# Altium PCB DemoCatV2.PcbDoc (continued)
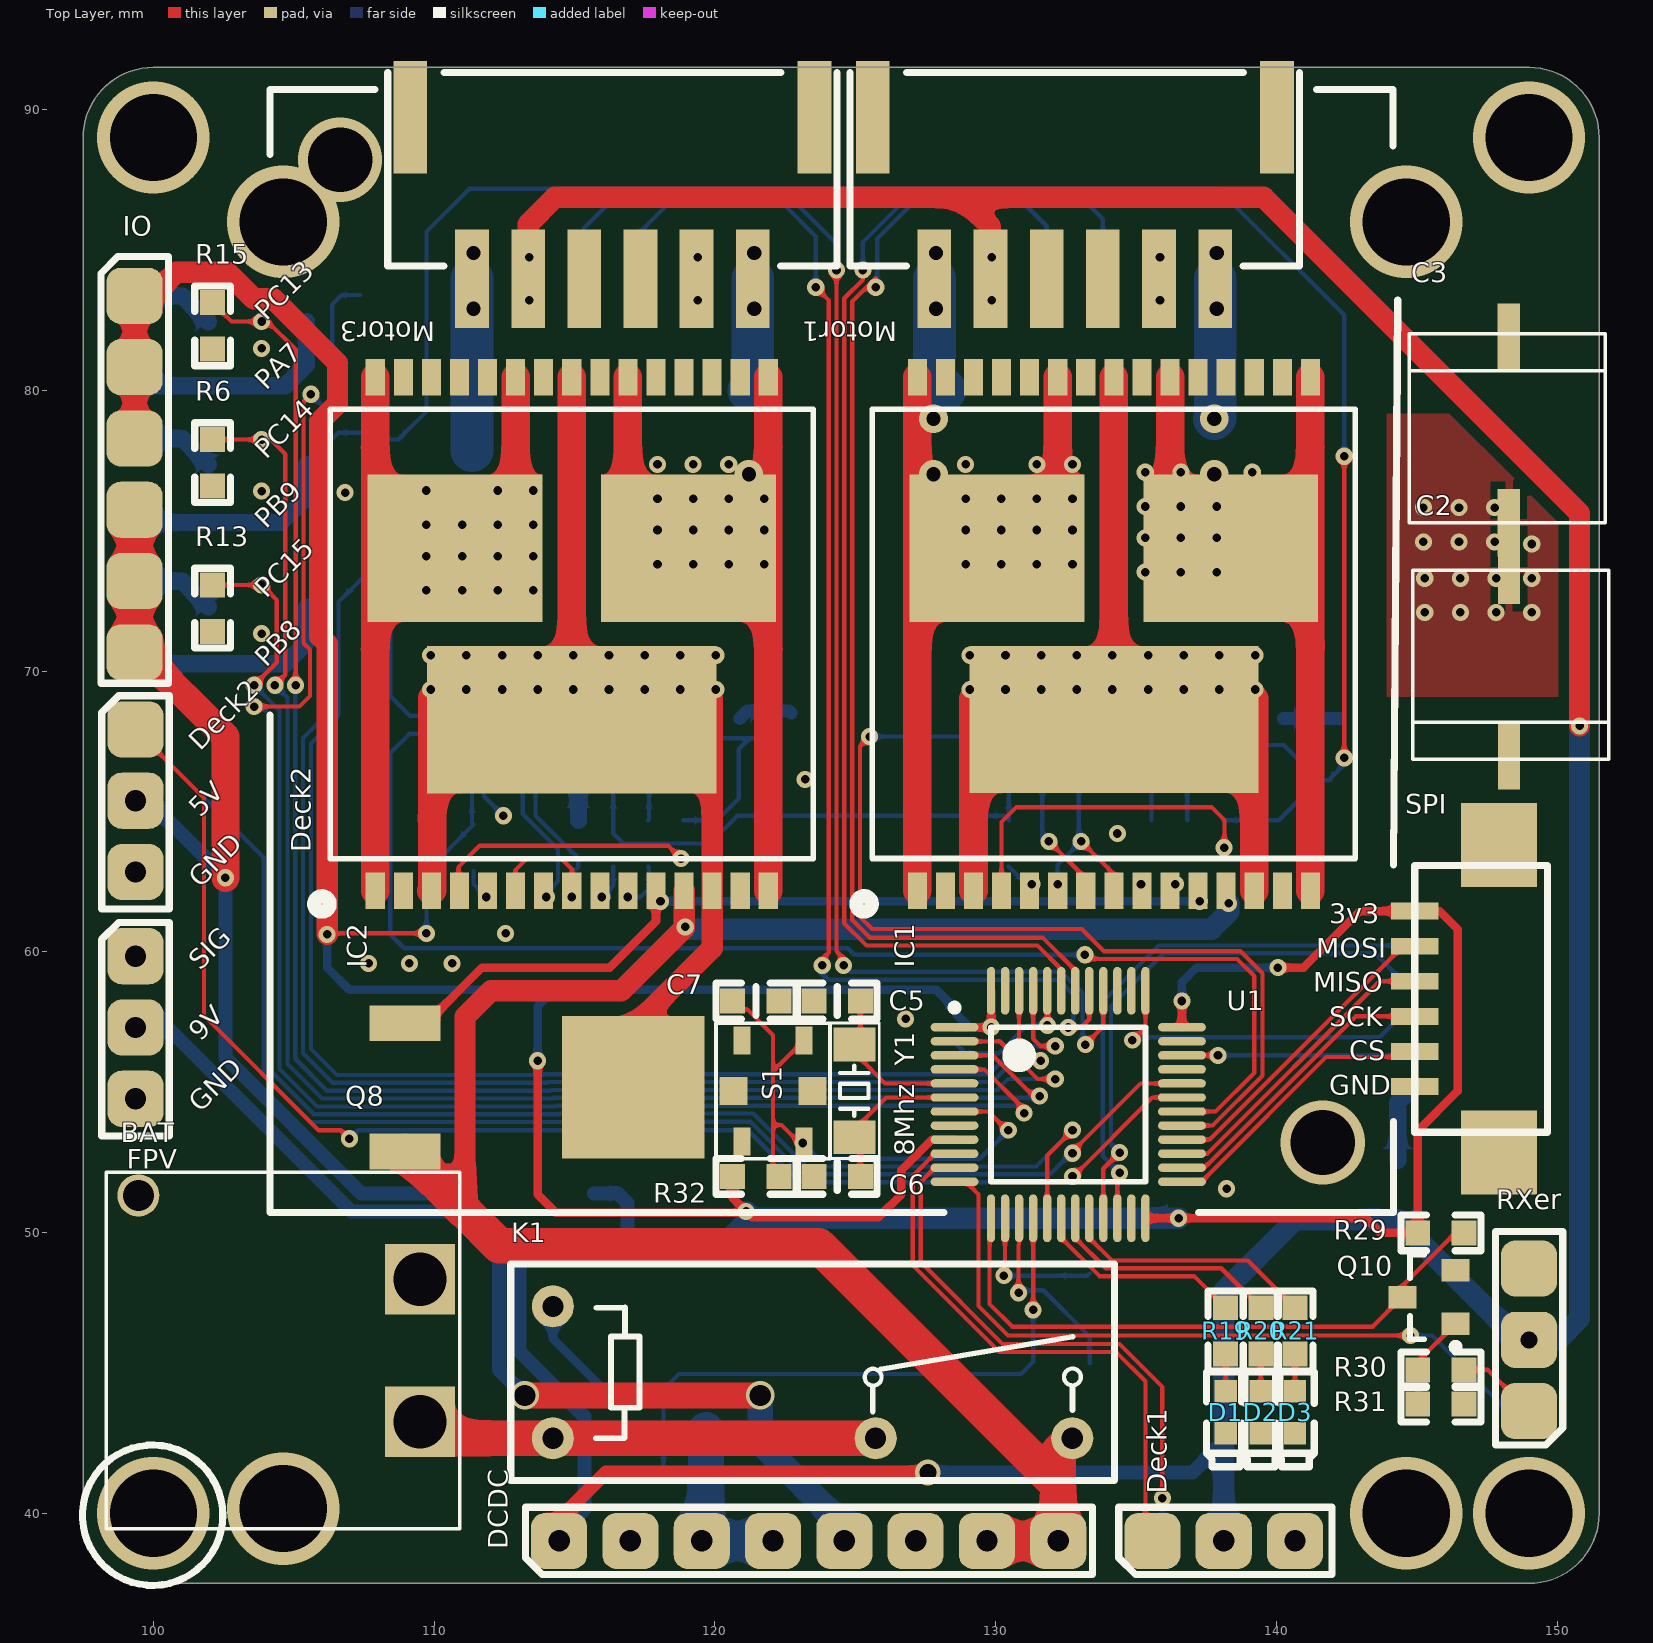
[diagram p0: Top Layer view]
## Footprints (in the part's own frame and the unit in brackets; to place one, negate y for a bottom-side part, rotate by r counter-clockwise, add the part's x,y. Pads: shape width x height; smd on the part's side, far side on the other; paste and mask are expansions set on the pad) (continued)
  rect 1.1x0.6 smd: 1(-1.2,0.95) 2(-1.2,0) 3(-1.2,-0.95) 4(1.2,-0.95) 5(1.2,0.95)
  silkscreen extent -1.32,-1.55 0.25,1.92, body extent -1.25,-1.53 1.25,1.47, height 1.05
SOT-23-MOS [mm] "SOT23, 3-Leads, Body 2.90x2.45mm, Pitch 0.95mm, IPC Medium Density"
  rect 1x0.8 smd: 1(0.95,0) 2(-0.95,0.95) 3(-0.95,-0.95)
  silkscreen extent -1.08,-1.5 0.67,1.9, body extent -1.33,-1.47 1.17,1.53, height 1.05
TO-252-3 [mil]
  rect 200x200 smd: 1(0,320)
  rect 50x100 smd: 2(-90,0) 3(90,0)
  body extent -132,-10 132,398, height 95
VNH5019A-E_1 [mm]
  rect 0.68x1.3 smd: 1(-13,-15.15) 2(-12,-15.15) 3(-11,-15.15) 4(-10,-15.15) 5(-9,-15.15) 6(-8,-15.15) 7(-7,-15.15) 8(-6,-15.15) 9(-5,-15.15) 10(-4,-15.15) 11(-3,-15.15) 12(-2,-15.15) 13(-1,-15.15) 14(0,-15.15) 15(1,-15.15) 16(1,3.15) 17(0,3.15) 18(-1,3.15) 19(-2,3.15) 20(-3,3.15) 21(-4,3.15) 22(-5,3.15) 23(-6,3.15) 24(-7,3.15) 25(-8,3.15) 26(-9,3.15) 27(-10,3.15) 28(-11,3.15) 29(-12,3.15) 30(-13,3.15)
  rect 10.3x5.25 smd: 31(-6,-9.05)
  rect 6.23x5.25 smd: 32(-10.165,-2.95) 33(-1.835,-2.95)
  silkscreen extent -15.17,-15.89 2.6,2, body extent -15.39,-16.05 3.46,4.06, height 2.35
XT30-IN-W [mm]
  round 1.5 hole 1.1: 0(-5.525,10.033) 0(5.524,10.033)
  rect 2.5x2.5 hole 1.9: 1(-2.54,0) 2(2.54,0)
  silkscreen extent -6.35,-1.42 6.35,11.18, body extent -6.62,-0.99 6.68,12.96, height 5

## Part data
BAT: library part "Header 2", "Header, 2-Pin", LatestRevisionDate=17-Jul-2002, LatestRevisionNote="Re-released for DXP Platform.", Publisher="Altium Limited"
C1 C4 C5 C6 C7 C8 C9 C10: "Capacitor", LatestRevisionDate=17-Jul-2002, LatestRevisionNote="Re-released for DXP Platform.", PackageDescription="Radial Cap, Thru-Hole; 2 Leads; 0.3 in Pin Spacing", PackageReference=RAD-0.3, Published=8-Jun-2000, Publisher="Altium Limited"
C2 C3: "Polarized Capacitor (Radial)", LatestRevisionDate=17-Jul-2002, LatestRevisionNote="Re-released for DXP Platform.", PackageDescription="Polarized Capacitor (Radial); 2 Leads", PackageReference=RB7.6-15, Published=8-Jun-2000, Publisher="Altium Limited"
D1 D2 D3: "Typical INFRARED GaAs LED", LatestRevisionDate=08-Jul-2005, LatestRevisionNote="Mech Layer 1 removed.", PackageDescription="LED; 2 Leads", PackageReference=LED-0, Published=8-Jun-2000, Publisher="Altium Limited"
D4: library part Diode, "Default Diode", Code_JEDEC=DO-214-AB, LatestRevisionDate=17-Jul-2002, LatestRevisionNote="Re-released for DXP Platform.", PackageDescription="DO-214-AB/SMC; 2 C-Bend Leads; Body 7.9 x 5.9 mm, inc. leads (LxW)", PackageReference=SMC, PackageVersion=Sep-1996, Published=8-Jun-2000, Publisher="Altium Limited"
DCDC: "Header, 8-Pin, Dual row", LatestRevisionDate=17-Jul-2002, LatestRevisionNote="Re-released for DXP Platform.", Publisher="Altium Limited"
Debugger Motor1 Motor2 Motor3 Motor4 SPI: "Header, 6-Pin", LatestRevisionDate=17-Jul-2002, LatestRevisionNote="Re-released for DXP Platform.", Publisher="Altium Limited"
Deck1 Deck2 FPV RXer: "Header, 3-Pin, Dual row", LatestRevisionDate=17-Jul-2002, LatestRevisionNote="Re-released for DXP Platform.", Publisher="Altium Limited"
IC1 IC2: "Integrated Circuit", Manufacturer_Name=STMicroelectronics, Mouser Part Number=511-VNH5019A-E, RS Part Number=8805550P, Datasheet Link=http://docs-emea.rs-online.com/webdocs/140d/0900766b8140dac2.pdf, Manufacturer_Part_Number=VNH5019A-E, Mouser Price/Stock=https://www.mouser.com/Search/Refine.aspx?Keyword=511-VNH5019A-E, RS Price/Stock=http://uk.rs-online.com/web/p/products/8805550P
IO: "Header, 6-Pin, Dual row", LatestRevisionDate=17-Jul-2002, LatestRevisionNote="Re-released for DXP Platform.", Publisher="Altium Limited"
K1: "SPDT Relay", LatestRevisionDate=17-Jul-2002, LatestRevisionNote="Re-released for DXP Platform.", PackageReference=MODULE5B, Published=8-Jun-2000, Publisher="Altium Limited"
Q1 Q2 Q3 Q4 Q5 Q6 Q7 Q8 Q9 Q10 Q11: library part MOSFET-N, "N-Channel MOSFET", LatestRevisionDate=17-Jul-2002, LatestRevisionNote="Re-released for DXP Platform.", PackageDescription="TO, Flat Index; 3 In-Line, Axial Leads; Body Dia. 4.6mm; Lead Dia. 0.5 mm (max)", PackageReference=E3, PackageVersion=1995/1996, Published=8-Jun-2000, Publisher="Altium Limited"
R1 R2 R3 R4 R5 R6 R7 R8 R9 R10 R11 R12 R13 R14 R15 R16 R17 R18 R22 R23 R24 R25 R27 R28 R29 R30 R31 R33 R34 Safe: "Resistor", LatestRevisionDate=17-Jul-2002, LatestRevisionNote="Re-released for DXP Platform.", PackageDescription="Axial Device, Thru-Hole; 2 Leads; 0.4 in Pin Spacing", PackageReference=AXIAL-0.4, Published=8-Jun-2000, Publisher="Altium Limited"
R19 R20 R21 R26 R32: library part Res2, "Resistor", LatestRevisionDate=17-Jul-2002, LatestRevisionNote="Re-released for DXP Platform.", PackageDescription="Axial Device, Thru-Hole; 2 Leads; 0.4 in Pin Spacing", PackageReference=AXIAL-0.4, Published=8-Jun-2000, Publisher="Altium Limited"
S1: "Switch", LatestRevisionDate=17-Jul-2002, LatestRevisionNote="Re-released for DXP Platform.", PackageDescription="Switch; 2 Leads", PackageReference=SPST-2, Published=24-Mar-1999, Publisher="Altium Limited"
U1: "ARM Cortex-M3 32-bit MCU, 64 KB Flash, 8 KB Internal RAM, 37 I/Os, 48-pin LQFP, -40 to 85 degC, Tray", I/Os (High Current)=37, Operating Frequency(F) (Processor speed) (MHz)=24, Supplier Part Number 1=497-10499-ND, Supply Voltage(Vcc) min (V)=2, A/D Converter="1x12-bit (10 Channel)", ComponentLink1Description="Manufacturer URL", ComponentLink1URL=http://www.st.com/web/en/home.html, ComponentLink2Description=Datasheet, ComponentLink2URL=http://www.st.com/st-web-ui/static/active/en/resource/technical/document/datasheet/CD00251732.pdf, ComponentLink3Description="Package Specification", ComponentLink3URL=http://www.st.com/st-web-ui/static/active/en/resource/technical/document/datasheet/DM00058181.pdf, Core="ARM Cortex-M3", D/A Converter="2x12-bit (2 Channel)", DatasheetVersion="Rev. 7", FLASH Size (Prog) (kB)=64, Internal RAM Size (kB)=8, Mounting Technology="Surface Mount", PackageDescription="48-Pin Low Profile Quad Flat Package, 7 x 7 mm Body, 0.5 mm Pitch", PackageReference=LQFP48, PackageVersion="Rev. 6, 06/2013", Packing=Tray, PartNumber=STM32F100C8T6B, Supplier 1=Digi-Key, Supplier 2=Farnell, Supplier 3=Newark, Supplier 4=Mouser, Supplier Part Number 2=1838511, Supplier Part Number 3=76R0988, Supplier Part Number 4=511-STM32F100C8T6B
U2: library part RT9013, "3.3V 500mA"
Y1: library part XTAL, LatestRevisionDate=17-Jul-2002, LatestRevisionNote="Re-released for DXP Platform.", PackageDescription="Crystal, Thru-Hole; 2 Leads; Body 3.1 x 8.2 mm (Dia.xH)", PackageReference=R38, Published=8-Jun-2000, Publisher="Altium Limited"

## Via types
v1: diameter 0.61, hole 0.305, Top Layer to Bottom Layer, tented both sides, 189 vias
v2: diameter 1.016, hole 0.762, Top Layer to Bottom Layer, tented both sides, 17 vias
v3: diameter 1.016, hole 0.508, Top Layer to Bottom Layer, tented both sides, 13 vias
v4: diameter 0.6, hole 0.3, Top Layer to Bottom Layer, tented both sides, 6 vias
v5: diameter 4/1.27 (per signal layer), hole 3.1, Top Layer to Bottom Layer, 4 vias
v6: diameter 4, hole 3.1, Top Layer to Bottom Layer, 4 vias
v7: diameter 0.61, hole 0.305, Top Layer to Bottom Layer, 3 vias
v8: diameter 0.914, hole 0.61, Top Layer to Bottom Layer, tented both sides, 2 vias
v9: diameter 3, hole 2.3, Top Layer to Bottom Layer, 2 vias

## Nets (pads, with @x,y where several pads share a name; then routed paths per layer and width w, separated by ;. In a path a pad name is that pad's centre, name@x,y a point inside that pad or via, vN(x,y) a via of type N, cw(c..) or ccw(c..) an arc to the next point about the centre after c; other vN are vias at no path point)
3v3: C8.2 C9.2 C10.2 IO.1 IO.2 IO.3 R1.2 R2.2 R3.2 R16.2 R17.2 R18.2 R29.2 R32.2 SPI.1 U1.1 U1.9 U1.24 U1.36 U1.48 U2.5 | length 188.1
  Top Layer w0.152: v1(106.189,60.621) 106.223,60.655 v1(109.728,60.655)
  Top Layer w0.305: v1(113.69,56.117) 113.69,51.359 114.342,50.707 v1@121.158,50.707 ; R32.2 120.637,51.227 v1(121.116,50.749) v1@121.158,50.707 ; U1.9 127.731,53.309 126.644,52.223 126.644,51.359 125.827,50.541 121.323,50.541 v1@121.158,50.707 ; U1.1 v1(129.845,57.309) 129.845,58.602 U1.48 ; U1.24 v1(136.52,50.509) 143.191,50.509 143.713,49.987 R29.2 145.038,53.617 146.456,55.036 146.456,60.808 145.816,61.448 SPI.1 142.982,61.448 140.97,59.436 v1(140.056,59.436) ; U1.36 v1(136.638,58.246)
  Top Layer w0.762: IO.3 IO.2 IO.1 99.974,83.363 100.813,84.201 102.641,84.201 103.581,83.261 104.267,83.261 106.559,80.969 106.559,79.521 105.933,78.895 105.933,71.231 106.189,70.975 v1(106.189,60.621)
  Bottom Layer w0.152: v1(109.728,60.655) 109.728,62.852 R18.2 111.35,64.583 111.35,66.49 111.939,67.08 116.972,67.08 ; R16.2 116.972,67.08 ; R2.2 135.553,66.49 135.966,66.904 ; R1.2 135.966,66.904 ; 116.972,67.08 116.383,66.49 R17.2 116.383,64.211 116.738,63.856 119.812,63.856 120.802,64.846 130.308,64.846 R3.2 130.473,66.541 130.835,66.904 135.966,66.904
  Bottom Layer w0.305: v1(106.189,60.621) 106.189,59.436 106.976,58.649 114.275,58.649 ; v1(113.69,56.117) 113.69,58.064 114.275,58.649 ; C10.2 129.064,57.309 v1(129.845,57.309) ; C10.2@128.614,57.924 127.889,58.649 114.275,58.649 ; v1(136.638,58.246) 136.638,58.914 137.16,59.436 v1(140.056,59.436)
  Bottom Layer w0.762: U2.5 120.244,49.494 121.116,50.366 v1(121.116,50.749) 121.356,50.509 v1(136.52,50.509)
5v: DCDC.1 DCDC.9 Deck1.2 Deck1.5 Deck2.2 Deck2.5 IO.4 IO.5 IO.6 Motor1.2 Motor2.5 Motor3.2 Motor4.5 RXer.2 RXer.5 Safe.1 U2.1 U2.3 | length 183.9
  Top Layer w0.5: v2(114.452,39.014) 114.452,39.776 116.129,41.453 v8(127.589,41.453)
  Top Layer w0.762: Motor3.2 113.35,85.918 114.3,86.868 128.778,86.868 ; Motor1.2 129.821,85.825 128.778,86.868 ; v1(150.8,68.047) 150.8,75.623 139.555,86.868 128.778,86.868
  Top Layer w1: IO.4 IO.5 IO.6 99.568,70.663 102.565,67.666 v1(102.565,62.636)
  Bottom Layer w0.5: v2(99.365,65.38) 99.822,65.38 v1(102.565,62.636) 102.565,56.236 107.406,51.394 110.874,51.394 112.774,49.494 113.043,49.225 113.043,45.758 115.35,43.451 115.35,43.146 115.357,43.139 115.357,42.205 115.35,42.198 115.35,40.145 114.452,39.248 v2(114.452,39.014) ; U2.1 116.605,49.494 116.891,49.78 116.891,51.054 116.55,51.394 U2.3 ; v8(127.589,41.453) 137.008,41.453 138.125,42.57
  Bottom Layer w0.508: 112.774,49.494 U2.1
  Bottom Layer w0.762: v2(138.125,39.014) 138.125,42.57 138.125,47.904 140.682,50.461 Safe.1 148.607,46.177 v8(149,46.177) 150.038,46.177 150.8,46.939 v1(150.8,68.047) v1@150.8,68.123
  other v1: 113.386,83.21 129.857,83.209 113.386,84.734 129.857,84.733
9v: DCDC.5 DCDC.13 FPV.2 FPV.5 | length 36.7
  Top Layer w0.914: v2(113.233,44.196) v2(121.615,44.196)
  Bottom Layer w0.508: v2(99.365,57.302) 99.76,57.698 100.112,57.698 107.061,50.749 110.588,50.749 112.319,49.018 112.319,45.11 v2(113.233,44.196)
  Bottom Layer w0.914: v2(121.615,44.196) 121.615,42.52 124.612,39.522 v2(124.612,39.014)
ADC1_4: R26.2 U1.14 | length 5.2
  Top Layer w0.152: v1(130.295,48.463) 130.338,48.506 U1.14
  Bottom Layer w0.152: v1(130.295,48.463) 133.274,48.463 R26.2
ADC1_5: R26.1 U1.15 | length 6.7
  Top Layer w0.152: v1@130.816,47.942 130.816,49.561 130.838,49.583 U1.15
  Bottom Layer w0.152: v1@130.816,47.942 131.699,47.942 133.35,46.292 R26.1
  other v1: 130.819,47.856
AV: FPV.1 FPV.4
  other v2: 99.365,59.842
Drv_BAT: DCDC.7 DCDC.8 DCDC.15 DCDC.16 IC1.12 IC2.12 K1.2 Q8.3 | length 72.2
  Top Layer w0.762: 111.1,50.749 111.1,57.683 112.025,58.609 116.674,58.609 v1@118.904,60.84 ; v1@118.904,60.884 IC2.12
  Top Layer w1.27: Q8.3 111.1,50.749 112.319,49.53 123.698,49.53 132.232,40.996 ; v2(129.692,39.014) 132.029,39.014 132.232,38.811 v2(132.232,39.014) 132.232,40.996 ; K1.2 132.232,42.174 132.232,40.996
  Bottom Layer w0.762: v1(118.948,60.884) 119.024,60.808 137.693,60.808 138.303,61.417 v1(138.303,61.722)
Drv_CP: IC1.11 IC2.11 Q8.2 | length 30.7
  Top Layer w0.305: Q8.2 109.728,57.455 111.709,59.436 116.256,59.436 117.904,61.084 IC2.11
  Bottom Layer w0.305: v1(118.066,61.798) v1(137.268,61.798)
Drv_EN: Q11.2 R34.2 U1.16 | length 22
  Top Layer w0.152: v4(131.338,47.244) U1.16
  Bottom Layer w0.152: R34.2 118.173,44.412 118.72,44.958 130.912,44.958 131.338,45.384 v4(131.338,47.244)
Drv_Vcc: C2.1 C3.1 IC1.3 IC1.13 IC1.23 IC1.31 IC2.3 IC2.13 IC2.23 IC2.31 Q8.1 | length 75.1
  Top Layer w0.508: IC1.31@129.213,68.271 IC1.31 138.832,68.271 IC1.31@139.213,67.89
  Top Layer w0.762: Q8.1 117.094,57.321 119.904,60.131 IC2.13 IC2.31@119.904,69.012
  Top Layer w1.016: IC2.3 109.929,62.194 109.929,69.037 IC2.31@114.904,69.037 ; IC2.31 IC2.31@114.904,69.037 ; IC2.23 IC2.31@114.904,69.037 ; IC1.3 IC1.31@129.213,69.014 ; IC1.31 IC1.23 ; IC1.13 IC1.31@139.213,69.014
  other v1: 109.88,69.342 111.15,69.342 112.42,69.342 113.69,69.342 114.96,69.342 116.23,69.342 117.5,69.342 118.77,69.342 120.04,69.342 129.083,69.342 130.353,69.342 131.623,69.342 132.893,69.342 134.163,69.342 135.433,69.342 136.703,69.342 137.973,69.342 139.243,69.342 109.88,70.561 111.15,70.561 112.42,70.561 113.69,70.561 114.96,70.561 116.23,70.561 117.5,70.561 118.77,70.561 120.04,70.561 129.083,70.561 130.353,70.561 131.623,70.561 132.893,70.561 134.163,70.561 135.433,70.561 136.703,70.561 137.973,70.561 139.243,70.561 145.288,72.085 146.558,72.085 147.828,72.085 149.098,72.085 145.288,73.304 146.558,73.304 147.828,73.304 149.098,73.304 149.098,74.524 145.237,74.6 146.507,74.6 147.777,74.6 145.237,75.819 146.507,75.819 147.777,75.819
GND: BAT.2 C1.1 C2.2 C3.2 C4.1 C5.1 C6.1 C7.1 C8.1 C9.1 C10.1 D1.2 D2.2 D3.2 DCDC.2 DCDC.6 DCDC.10 DCDC.14 Debugger.6 Deck1.3 Deck1.6 Deck2.3 Deck2.6 FPV.3 FPV.6 IC1.18 IC1.19 IC1.20 IC1.26 IC1.27 IC1.28 IC2.18 IC2.19 IC2.20 IC2.26 IC2.27 IC2.28 Motor1.5 Motor2.2 Motor3.5 Motor4.2 Q1.3 Q2.3 Q3.3 Q4.3 Q5.3 Q6.3 Q7.3 Q9.3 Q10.3 Q11.3 R4.1 R5.1 R6.1 R9.1 R12.1 R13.1 R14.1 R15.1 R24.1 R28.1 R31.1 R33.1 R34.1 RXer.3 RXer.6 S1.2 SPI.6 U1.8 U1.23 U1.35 U1.47 U2.2 | length 11.1
  Bottom Layer w0.152: v7(112.471,64.846) 111.785,65.532 111.785,66.419 112.166,66.8 114.456,66.8 115.138,66.117 C4.1
  Bottom Layer w0.457: Q9.3 121.158,68.58 122.645,68.58 122.721,68.504 ; Q4.3 142.255,68.311
  Bottom Layer w0.61: R28.1 C4.1
  other v1: 126.797,57.607 107.671,59.588 109.118,59.588 110.642,59.588 134.341,64.211 123.215,66.142 103.856,71.329 106.832,76.352 103.856,76.409 103.856,81.489 119.386,83.21 135.857,83.209 119.386,84.734 135.857,84.733
  other v2: 116.992,39.014 127.152,39.014 140.665,39.014 99.365,54.762 99.365,62.84
  other v7: 138.227,51.557 112.547,60.655
M1_N: Q4.1 R1.1 R10.2 | length 4
  Bottom Layer w0.152: R10.2 R1.1 138.993,66.11 Q4.1
M1_P: Q1.2 Q4.2 R4.2 R7.2 R9.2 U1.46 | length 123.1
  Top Layer w0.152: U1.46 130.838,56.614 131.335,56.117 v1(131.606,56.117) ; v1(142.418,66.904) v1(142.418,77.648)
  Bottom Layer w0.152: 105.843,68.128 106.223,68.509 106.223,78.115 106.594,78.486 108.196,78.486 R4.2 108.725,78.245 109.728,79.248 109.728,85.649 111.252,87.173 137.922,87.173 142.418,82.677 v1(142.418,77.648) ; 105.854,68.128 105.334,67.608 105.334,56.388 106.392,55.33 114.017,55.33 114.044,55.357 129.88,55.357 130.641,56.117 v1(131.606,56.117) ; R7.2 140.087,64.681 R9.2 ; Q4.2 139.294,67.361 140.265,67.361 R9.2 ; v1(142.418,66.904) 142.418,66.675 141.852,66.11 R9.2
M2_N: Q9.1 R16.1 R25.2 | length 3.8
  Bottom Layer w0.152: R25.2 117.653,64.706 R16.1 117.954,66.411 Q9.1
M2_P: Q6.2 Q9.2 R14.2 R22.2 R24.2 U1.45 | length 72.4
  Top Layer w0.152: U1.45 131.338,56.904 131.604,56.638 v1(132.127,56.638)
  Bottom Layer w0.152: R22.2 120.078,64.681 120.853,65.456 120.853,67.217 121.244,67.608 ; R24.2 121.919,67.608 121.244,67.608 ; v1(132.127,56.638) 130.767,56.638 129.765,55.636 113.928,55.636 113.901,55.609 106.544,55.609 105.613,56.54 105.613,67.422 106.594,68.403 106.594,72.462 Q6.2 107.982,73.85 R14.2 108.438,69.108 109.138,68.408 118.891,68.408 Q9.2 119.692,67.608 121.244,67.608
MH1: IC1.1 IC1.25 IC1.30 IC1.32 Motor1.1 Motor2.6 | length 29.4
  Top Layer w0.508: IC1.32 IC1.32@132.213,76.536
  Top Layer w1.016: IC1.1 IC1.30 ; IC1.32@132.213,76.536 IC1.25
  Bottom Layer w1.524: Motor2.6@127.821,83.971 127.821,80.389 128.2,80.01
  other v1: 128.93,73.803 130.2,73.803 131.47,73.803 132.74,73.803 128.93,75.023 130.2,75.023 131.47,75.023 132.74,75.023 128.93,76.14 130.2,76.14 131.47,76.14 132.74,76.14 128.93,77.359 131.47,77.359 132.74,77.359
  other v3: 127.788,77.004 127.788,78.985 127.876,82.904 127.876,84.885
MH2: IC2.1 IC2.25 IC2.30 IC2.32 Motor3.1 Motor4.6 | length 31.4
  Top Layer w1.016: IC2.1 IC2.30 ; IC2.32 112.904,76.535 IC2.25
  Bottom Layer w1.524: 111.35,77.855 Motor4.6
  other v1: 109.728,72.873 110.998,72.873 112.268,72.873 113.538,72.873 109.728,74.092 110.998,74.092 112.268,74.092 113.538,74.092 109.728,75.209 110.998,75.209 112.268,75.209 113.538,75.209 109.728,76.429 112.268,76.429 113.538,76.429
  other v3: 111.404,82.906 111.404,84.887
ML1: IC1.15 IC1.16 IC1.21 IC1.33 Motor1.6 Motor2.1 | length 30.3
  Top Layer w0.508: IC1.33@136.213,76.536 IC1.33
  Top Layer w1.016: IC1.33@136.213,76.536 IC1.21 ; IC1.15 IC1.16
  Bottom Layer w1.524: v3(137.788,78.985) 137.821,79.017 Motor2.1@137.821,83.971
  other v1: 135.331,73.523 136.601,73.523 137.871,73.523 135.331,74.742 136.601,74.742 137.871,74.742 135.331,75.86 136.601,75.86 137.871,75.86 135.331,77.079 136.601,77.079 137.871,77.079 139.141,77.079
  other v3: 137.788,77.004 137.876,82.904 137.876,84.885
ML2: IC2.15 IC2.16 IC2.21 IC2.33 Motor3.6 Motor4.1 | length 29.3
  Top Layer w1.016: IC2.21 116.904,76.535 IC2.33 ; IC2.15 IC2.16
  Bottom Layer w1.524: 121.214,79.991 121.35,80.126 Motor4.1
  other v1: 117.958,73.803 119.228,73.803 120.498,73.803 121.768,73.803 117.958,75.023 119.228,75.023 120.498,75.023 121.768,75.023 117.958,76.14 119.228,76.14 120.498,76.14 121.768,76.14 117.958,77.359 119.228,77.359 120.498,77.359
  other v3: 121.214,77.004 121.404,82.906 121.404,84.887
NetC1_2: C1.2 R11.2 | length 1.3
  Bottom Layer w0.152: R11.2 C1.2
NetC4_2: C4.2 R27.2 | length 1.2
  Bottom Layer w0.152: R27.2 C4.2
NetC5_2: C5.2 U1.5 Y1.2 | length 5.8
  Top Layer w0.152: C5.2 125.184,56.189 126.064,55.309 U1.5
NetC6_2: C6.2 U1.6 Y1.1 | length 5.8
  Top Layer w0.152: C6.2@125.184,51.845 C6.2 125.184,53.89 126.103,54.809 U1.6
NetC7_2: C7.2 R32.1 S1.1 U1.7 | length 19.9
  Top Layer w0.152: C7.2 120.942,57.941 121.158,57.941 122.072,57.027 122.072,55.746 ; R32.1 122.072,52.213 122.072,53.826 ; S1.1@122.958,53.246 122.377,53.826 122.072,53.826 ; S1.1@123.172,56.846 122.072,55.746 ; U1.7 129.74,54.309 130.252,53.797 130.302,53.797 v4(130.454,53.645) ; 122.072,53.826 122.072,55.746
  Bottom Layer w0.152: v1(123.139,53.188) 123.698,52.629 129.438,52.629 v4(130.454,53.645)
NetD1_1: D1.1 R19.2 | length 1.3
  Top Layer w0.152: D1.1 R19.2
NetD2_1: D2.1 R20.2 | length 1.3
  Top Layer w0.152: D2.1 R20.2
NetD3_1: D3.1 R21.2 | length 1.3
  Top Layer w0.152: D3.1 R21.2
NetD4_2: D4.2 DCDC.3 DCDC.4 DCDC.11 DCDC.12 | length 6.6
  Bottom Layer w1.27: D4.2@119.685,42.977 119.685,39.167 v2(119.532,39.014) v2(122.072,39.014)
NetDebugger_1: Debugger.1 Safe.2 | length 2.9
  Bottom Layer w0.61: Safe.2 144.323,54.635 Debugger.1
NetIC1_4: IC1.4 R7.1 | length 11.7
  Top Layer w0.152: IC1.4 130.213,64.622 130.742,65.151 137.693,65.151 138.151,64.694 v1@138.151,63.779
  other v1: 138.138,63.703
NetIC1_5: IC1.5 R3.1 | length 1.4
  Bottom Layer w0.152: R3.1 131.293,62.211 v1(131.293,62.408)
NetIC1_6: IC1.6 IC1.8 R11.1 R12.2 | length 8
  Top Layer w0.152: IC1.6@132.213,61.874 IC1.6 ; v1(133.045,63.932) 134.213,62.764 IC1.8
  Bottom Layer w0.152: v1(132.207,62.408) 132.207,63.094 v1(133.045,63.932) ; R11.1 132.964,64.013 v1(133.045,63.932) ; R12.2 133.947,63.03 v1(133.045,63.932)
NetIC1_7: IC1.7 R8.1 | length 4.7
  Top Layer w0.152: v1(131.901,63.932) 133.213,62.62 IC1.7
  Bottom Layer w0.152: R8.1@131.663,66.109 131.663,63.932 v1(131.901,63.932)
NetIC1_9: IC1.9 R2.1
  other v1: 135.179,62.408
NetIC1_10: IC1.10 R10.1
  other v1: 136.398,62.408
NetIC2_4: IC2.4 R22.1 | length 9.5
  Top Layer w0.152: IC2.4@110.871,61.951 110.871,63.023 111.628,63.779 118.336,63.779 v1(118.796,63.319)
NetIC2_5: IC2.5 R18.1 | length 1.1
  Bottom Layer w0.152: R18.1 111.404,62.408 v1(111.862,61.951)
NetIC2_6: IC2.6 IC2.8 R27.1 R28.2 | length 8.9
  Top Layer w0.152: IC2.6 112.904,62.917 113.307,63.319 114.531,63.319 114.91,62.941 v1(114.91,61.951)
  Bottom Layer w0.152: R27.1 113.614,65.754 113.614,64.846 115.138,63.322 R28.2 114.91,62.801 v1@114.91,62.179
NetIC2_7: IC2.7 R23.1 | length 4.8
  Bottom Layer w0.152: R23.1 113.157,65.754 113.157,64.908 114.416,63.649 114.416,62.524 v1@113.995,62.103
  other v1: 113.995,61.951
NetIC2_9: IC2.9 R17.1 | length 1.2
  Bottom Layer w0.152: v1(115.976,61.951) 116.383,62.357 R17.1
NetIC2_10: IC2.10 R25.1 | length 1.8
  Top Layer w0.152: v1(116.891,61.951) IC2.10@116.891,62.103
  Bottom Layer w0.152: v1(116.891,61.951) 117.348,61.951 117.653,62.255 117.653,63.005 R25.1
NetK1_4: K1.4 Q11.1 | length 5
  Bottom Layer w0.305: K1.4 114.23,46.222 116.068,44.384 Q11.1
NetQ10_2: Q10.2 R30.1 R31.2 | length 3.4
  Top Layer w0.152: R31.2 R30.1 145.038,45.401 Q10.2
NetR19_1: R19.1 U1.18 | length 7.6
  Top Layer w0.152: U1.18 132.338,49.81 133.702,48.446 137.07,48.446 R19.1
NetR20_1: R20.1 U1.19 | length 8.3
  Top Layer w0.152: U1.19 132.838,49.81 133.923,48.725 138.041,48.725 R20.1
NetR21_1: R21.1 U1.20 | length 9.1
  Top Layer w0.152: U1.20 133.338,49.81 134.143,49.005 138.981,49.005 R21.1
NetR33_2: R33.2 U1.44 | length 5
  Top Layer w0.152: U1.44 131.846,58.601 v1(131.846,57.375)
  Bottom Layer w0.152: R33.2@128.614,56.693 128.919,56.388 130.121,56.388 131.108,57.375 v1(131.846,57.375)
PA7: Q2.2 R5.2 U1.17 | length 68.6
  Top Layer w0.152: v1(103.589,68.732) 105.201,68.732 105.578,69.109 105.578,70.76 105.349,70.989 105.349,79.594 v1(105.613,79.858) ; U1.17 131.838,52.742 v1(132.74,53.645)
  Bottom Layer w0.152: v1(103.589,68.732) 103.865,68.732 104.216,68.382 104.216,55.713 105.717,54.212 114.479,54.212 114.507,54.239 121.369,54.239 123.259,52.349 131.445,52.349 v1(132.74,53.645) ; v1(105.613,79.858) 106.134,79.337 106.743,79.337 ; Q2.2 106.707,83.389 106.375,83.058 106.375,79.705 106.743,79.337 ; R5.2 106.743,79.337
PC13: Q7.2 R15.2 U1.2 | length 61.7
  Top Layer w0.152: R15.2 102.781,82.448 v1(103.856,82.448) 104.071,82.448 105.07,81.45 v1(105.07,69.494) ; U1.2 128.546,56.801 130.055,56.801 130.063,56.809 130.149,56.809 131.493,55.466 v1@132.103,55.466
  Bottom Layer w0.152: v1(103.856,82.448) Q7.2 ; v1@105.156,69.494 105.054,69.393 105.054,56.272 105.07,56.257 105.07,56.169 106.189,55.05 114.132,55.05 114.159,55.077 130.058,55.077 130.447,55.466 v1@132.103,55.466
  other v1: 132.127,55.466
PC14: Q3.2 R6.2 U1.3 | length 55.5
  Top Layer w0.152: R6.2 v1(103.856,78.245) 104.178,78.245 104.699,77.724 104.699,69.864 v1(104.33,69.494) ; U1.3 129.899,56.309 v1@131.432,54.775
  Bottom Layer w0.152: v1(104.33,69.494) 104.775,69.049 104.775,56.007 106.011,54.771 114.248,54.771 114.275,54.798 v1@131.404,54.798
  other v1: 131.571,54.861
PC15: Q5.2 R13.2 U1.4 | length 50.4
  Top Layer w0.152: R13.2 v1(103.856,73.063) 104.394,72.525 104.394,70.299 v1(103.589,69.494) ; U1.4 129.602,55.809 130.912,54.499 v1@130.912,54.254
  Bottom Layer w0.152: v1(103.589,69.494) 104.496,68.588 104.496,55.829 105.833,54.492 114.364,54.492 114.391,54.519 130.856,54.519 131.064,54.31 v1@131.064,54.254
  other v1: 131.015,54.255
SBUS: R30.2 RXer.1 | length 2.9
  Top Layer w0.152: R30.2 147.527,45.11 RXer.1
SPI_CS: SPI.5 U1.25 | length 10.9
  Top Layer w0.152: U1.25 137.338,51.809 137.691,52.163 137.691,52.167 141.773,56.249 SPI.5@145.676,56.249
SPI_MISO: SPI.3 U1.27 | length 10.8
  Top Layer w0.152: U1.27 137.544,52.809 143.682,58.948 SPI.3
SPI_MOSI: SPI.2 U1.28 | length 11
  Top Layer w0.152: U1.28 137.627,53.309 144.516,60.198 SPI.2@144.78,60.198
SPI_SCK: SPI.4 U1.26 | length 10.5
  Top Layer w0.152: U1.26 137.439,52.309 142.828,57.698 SPI.4
SW1: IO.7 Q7.1 | length 3
  Bottom Layer w0.61: IO.7 101.032,83.363 Q7.1
SW2: IO.8 Q2.1 | length 8.2
  Bottom Layer w0.61: IO.8 99.995,80.162 104.699,80.162 105.461,80.924 Q2.1
SW3: IO.9 Q3.1 | length 3
  Bottom Layer w0.61: IO.9 101.032,78.283 Q3.1
SW4: IO.10 Q1.1 | length 7.9
  Bottom Layer w0.61: IO.10 99.543,75.743 100,75.286 104.546,75.286 105.461,76.2 Q1.1
SW5: IO.11 Q5.1 | length 3
  Bottom Layer w0.61: IO.11 101.032,73.203 Q5.1
SW6: IO.12 Q6.1 | length 7.9
  Bottom Layer w0.61: IO.12 99.741,70.256 104.699,70.256 105.461,71.018 Q6.1
SWCLK: Debugger.3 U1.37 | length 11.8
  Top Layer w0.152: v4(134.874,56.845) 135.338,57.309 U1.37
  Bottom Layer w0.152: v4(134.874,56.845) 134.98,56.951 143.667,56.951 Debugger.3@144.414,57.698
SWDIO: Debugger.2 U1.34 | length 8.5
  Top Layer w0.152: U1.34 v1(137.922,56.309)
  Bottom Layer w0.152: v1(137.922,56.309) Debugger.2@145.161,56.309
T1C1: R8.2 U1.29 | length 35.2
  Top Layer w0.152: v1(125.516,67.666) 125.171,67.321 125.171,61.242 125.606,60.808 133.071,60.808 133.858,60.02 138.719,60.02 139.506,59.233 139.506,55.584 137.732,53.809 U1.29
  Bottom Layer w0.152: v1(125.516,67.666) 131.568,67.666 R8.2@131.663,67.76
T1C2: R23.2 U1.30 | length 49.1
  Top Layer w0.152: v1(133.179,59.893) 133.332,59.741 138.603,59.741 139.213,59.131 139.213,55.686 137.837,54.309 U1.30
  Bottom Layer w0.152: R23.2 109.119,67.76 108.438,67.08 108.438,60.62 108.936,60.122 124.739,60.122 124.968,59.893 v1(133.179,59.893)
T1C3: Deck2.1 U1.31 | length 50
  Top Layer w0.152: Deck2.1 101.803,65.481 101.803,57.729 105.887,53.645 106.68,53.645 v1(106.985,53.34) ; v1@132.77,51.998 135.581,54.809 U1.31
  Bottom Layer w0.152: v1(106.985,53.34) 107.29,53.645 121.173,53.645 123.028,51.791 132.533,51.791 v1(132.74,51.998) ; v1@132.755,51.983 v1@132.77,51.998
T1C4: Deck2.4 U1.32 | length 49.7
  Top Layer w0.152: v1@132.74,52.883 135.167,55.309 U1.32
  Bottom Layer w0.152: Deck2.4 103.937,63.348 103.937,55.598 105.602,53.933 114.595,53.933 114.612,53.95 121.264,53.95 123.143,52.07 131.928,52.07 v1@132.74,52.883
  other v1: 132.74,52.821
T2C1: Deck1.1 U1.10 | length 20.8
  Top Layer w0.152: U1.10 127.838,52.809 127.053,52.024 127.053,48.828 130.135,45.745 134.294,45.745 135.338,44.701 135.338,39.262 Deck1.1
T2C2: Deck1.4 U1.11 | length 20.4
  Top Layer w0.152: U1.11 127.838,52.309 127.332,51.804 127.332,48.944 130.251,46.025 134.41,46.025 135.941,44.494 v1(135.941,40.538)
  Bottom Layer w0.152: Deck1.4 135.941,39.37 v1(135.941,40.538)
T3CH1: Motor4.4 U1.40 | length 50.8
  Top Layer w0.152: v1(124.333,84.277) 124.333,60.02 124.587,59.766 v1(124.587,59.512) ; v1(133.198,56.693) 133.838,57.333 U1.40
  Bottom Layer w0.152: Motor4.4 115.35,85.784 116.459,86.893 122.657,86.893 124.358,85.192 124.358,84.303 v1(124.333,84.277) ; v1(124.587,59.512) 124.816,59.284 132.35,59.284 133.096,58.538 133.096,56.794 v1(133.198,56.693)
T3CH2: Motor4.3 U1.41 | length 47.7
  Top Layer w0.152: v1(123.596,83.668) 124.054,83.21 124.054,59.969 123.825,59.741 v1(123.825,59.512) ; v1(132.588,57.302) 133.045,57.302 133.338,57.595 U1.41
  Bottom Layer w0.152: Motor4.3 117.35,85.65 118.313,86.614 122.462,86.614 123.596,85.479 v1(123.596,83.668) ; v1(123.825,59.512) 123.825,59.207 124.028,59.004 132.235,59.004 132.77,58.469 132.77,57.556 132.588,57.375 v1(132.588,57.302)
T4CH1: Motor2.4 U1.42 | length 43.4
  Top Layer w0.152: v1(125.73,83.668) 125.73,83.998 124.892,83.16 124.892,61.127 125.516,60.503 131.674,60.503 132.838,59.338 U1.42
  Bottom Layer w0.152: v1(125.73,83.668) 125.781,83.718 125.781,85.395 126.975,86.589 131.075,86.589 131.821,85.842 Motor2.4@131.821,83.971
T4CH2: Motor2.3 U1.43 | length 45.4
  Top Layer w0.152: v1(125.273,84.277) 125.273,83.936 124.612,83.275 124.612,61.011 125.4,60.223 131.492,60.223 132.338,59.377 U1.43
  Bottom Layer w0.152: v1(125.273,84.277) 125.273,85.282 126.859,86.868 133.045,86.868 133.821,86.092 Motor2.3@133.821,83.971
U2RX: Q10.1 R29.1 U1.13 | length 22.1
  Top Layer w0.152: U1.13 129.787,50.458 129.787,47.454 130.594,46.647 143.434,46.647 Q10.1 144.287,47.902 146.372,49.987 R29.1
U2TX: RXer.4 U1.12 | length 26.2
  Top Layer w0.152: U1.12 128.937,51.809 129.388,51.359 129.388,47.384 130.442,46.33 v4(144.78,46.33)
  Bottom Layer w0.152: v4(144.78,46.33) 145.542,46.33 148.234,43.637 RXer.4
U3RX: Debugger.5 U1.22 | length 19.9
  Top Layer w0.152: U1.22 134.338,52.042 v4(134.417,52.121)
  Bottom Layer w0.152: v4(134.417,52.121) 133.821,52.717 133.821,58.23 135.814,60.223 144.907,60.223 Debugger.5@144.932,60.198
U3TX: Debugger.4 U1.21 | length 19.5
  Top Layer w0.152: U1.21 133.838,52.269 v4(134.417,52.848)
  Bottom Layer w0.152: v4(134.417,52.848) 134.112,53.153 134.112,58.064 135.992,59.944 143.51,59.944 Debugger.4@144.506,58.948
VBAT: BAT.1 D4.1 K1.3 K1.5 | length 16.5
  Top Layer w1.27: BAT.1 110.084,42.672 K1.5 K1.3
pads on no net: BAT.0 Debugger.0 IC1.2 IC1.14 IC1.17 IC1.22 IC1.24 IC1.29 IC2.2 IC2.14 IC2.17 IC2.22 IC2.24 IC2.29 Motor1.0 Motor1.3 Motor1.4 Motor2.0 Motor3.0 Motor3.3 Motor3.4 Motor4.0 S1.3 SPI.0 U1.33 U1.38 U1.39 U2.4
copper on no net:
  other v5: 100,40 149,40 100,89 149,89
  other v6: 144.628,40 104.628,40.162 104.628,86 144.628,86
  other v9: 141.651,53.207 106.651,88.207

## Polygon pours and split planes (outlines as drawn)
Drv_Vcc on Bottom Layer "Bottom Layer-Drv_Vcc" (solid, pour order 70): 140.087,69.037 140.126,69.075 150.038,69.075 150.038,75.286 146.152,79.172 143.942,79.172 143.942,72.542 143.637,72.238 140.087,72.238
MH2 on Bottom Layer "Bottom Layer-MH2" (solid, pour order 68): 140.087,69.037
MH2 on Bottom Layer "Bottom Layer-MH2 1" (solid, pour order 66): 114.132,72.847 114.132,79.096 110.338,79.096 109.652,78.41 109.652,72.847
ML1 on Bottom Layer "Bottom Layer-ML1" (solid, pour order 38): 134.417,72.847 138.138,72.847 138.138,75.438 139.814,77.114 141.852,77.114 141.852,81.471 137.16,81.471 136.823,81.134 136.823,79.096 134.417,79.096
MH1 on Bottom Layer "Bottom Layer-MH1" (solid, pour order 36): 126.797,72.847 133.198,72.847 133.096,72.949 133.096,79.096 129.083,79.096 129.083,81.185 128.778,81.489 126.841,81.489 126.797,81.534
ML2 on Bottom Layer "Bottom Layer-ML2" (solid, pour order 34): 115.519,72.847 122.377,72.847 122.377,81.534 120.802,81.534 120.155,80.886 120.155,79.096 115.519,79.096
ML2 on Bottom Layer "Bottom Layer-ML2 1" (hatched Horizontal grid 0.508 track 0.203, pour order 30): 110.795,85.649
no net on Bottom Layer "Bottom Layer-No Net" (solid, pour order 28): 137.922,72.719
no net on Bottom Layer "Bottom Layer-No Net 1" (solid, pour order 26): 131.521,73
Drv_Vcc on Bottom Layer "Bottom Layer-Drv_Vcc 1" (solid, pour order 12): 109.271,69.037 140.087,69.037 140.087,72.238 109.271,72.238
Drv_Vcc on Bottom Layer "Bottom Layer-Drv_Vcc 2" (solid, pour order 4): 109.88,68.58
Drv_Vcc on Top Layer "Top Layer-Drv_Vcc" (solid, pour order 54): 143.942,79.172 143.942,69.037 143.98,69.075 150.038,69.075 150.038,75.286 146.152,79.172
GND on Top Layer "Top Layer-GND 1" (solid, pour order 60): 97.536,89.23
no net on Top Layer "Top Layer-No Net" (solid, pour order 40): 95.174,93.193

## Silkscreen, mask and mechanical layers (free items; w line width, h text height)
Top Overlay:
  circle w0.254: c99.974,39.929 r2.5
  lines w0.254: 104.151,68.428 104.151,50.707 128.168,50.707 ; 104.151,88.392 104.151,90.707 107.899,90.707 ; 137.224,50.707 144.17,50.707 144.17,53.95 ; 141.427,90.707 144.151,90.707 144.151,88.697 ; 144.17,63.094 144.323,83.21
  text "PC13" at 104.018,82.438 h0.7 r45
  text "PA7" at 104.018,79.969 h0.7 r45
  text "PC14" at 104.018,77.5 h0.7 r45
  text "PB9" at 104.018,75.031 h0.7 r45
  text "PC15" at 104.018,72.562 h0.7 r45
  text "PB8" at 104.018,70.094 h0.7 r45
  text "Deck2" at 101.678,67.129 h0.7 r45
  text "5V" at 101.678,64.757 h0.7 r45
  text "GND" at 101.678,62.243 h0.7 r45
  text "3v3" at 141.894,61.011 h0.7
  text "MOSI" at 141.427,59.792 h0.7
  text "SIG" at 101.678,59.31 h0.7 r45
  text "MISO" at 141.311,58.572 h0.7
  text "SCK" at 141.894,57.353 h0.7
  text "9V" at 101.678,56.775 h0.7 r45
  text "CS" at 142.593,56.134 h0.7
  text "GND" at 141.894,54.915 h0.7
  text "GND" at 101.678,54.24 h0.7 r45
Bottom Overlay:
  text "GND" at 143.637,60.96 h0.7
  text "RX" at 143.637,59.741 h0.7
  text "TX" at 143.637,58.522 h0.7
  text "CLK" at 143.637,57.302 h0.7
  text "DIO" at 143.637,56.083 h0.7
  text "5v" at 143.637,54.864 h0.7
  text "GND" at 147.025,48.427 h0.7
  text "5V" at 147.025,45.949 h0.7
  text "EN" at 122.363,45.72 h0.7 r90
  text "9V" at 124.932,45.72 h0.7 r90
  text "VIN" at 119.794,45.137 h0.7 r90
  text "GND" at 117.225,45.02 h0.7 r90
  text "SBUS" at 147.025,43.205 h0.7
  text "5V" at 114.706,40.905 h0.7 r90
  text "GND" at 127.298,40.905 h0.7 r90
  text "VIN" at 129.867,40.905 h0.7 r90
  text "EN" at 132.436,40.905 h0.7 r90
  text "SIG" at 136.042,40.821 h0.7 r90
  text "5V" at 138.684,40.821 h0.7 r90
  text "GND" at 141.122,40.821 h0.7 r90
Bottom Solder:
  drawing of 1514 lines, arcs and shapes, not listed
  text "Designed by LeeRaii" at 138.022,77.716 h1.27
  text "masterraii@icloud.com" at 138.022,75.474 h1.27
  text "2020/03/13" at 138.022,73.487 h1.02
Drill Drawing:
  the board outline again, w0.254